# KiCad board corevus-g.kicad_pcb (continued)
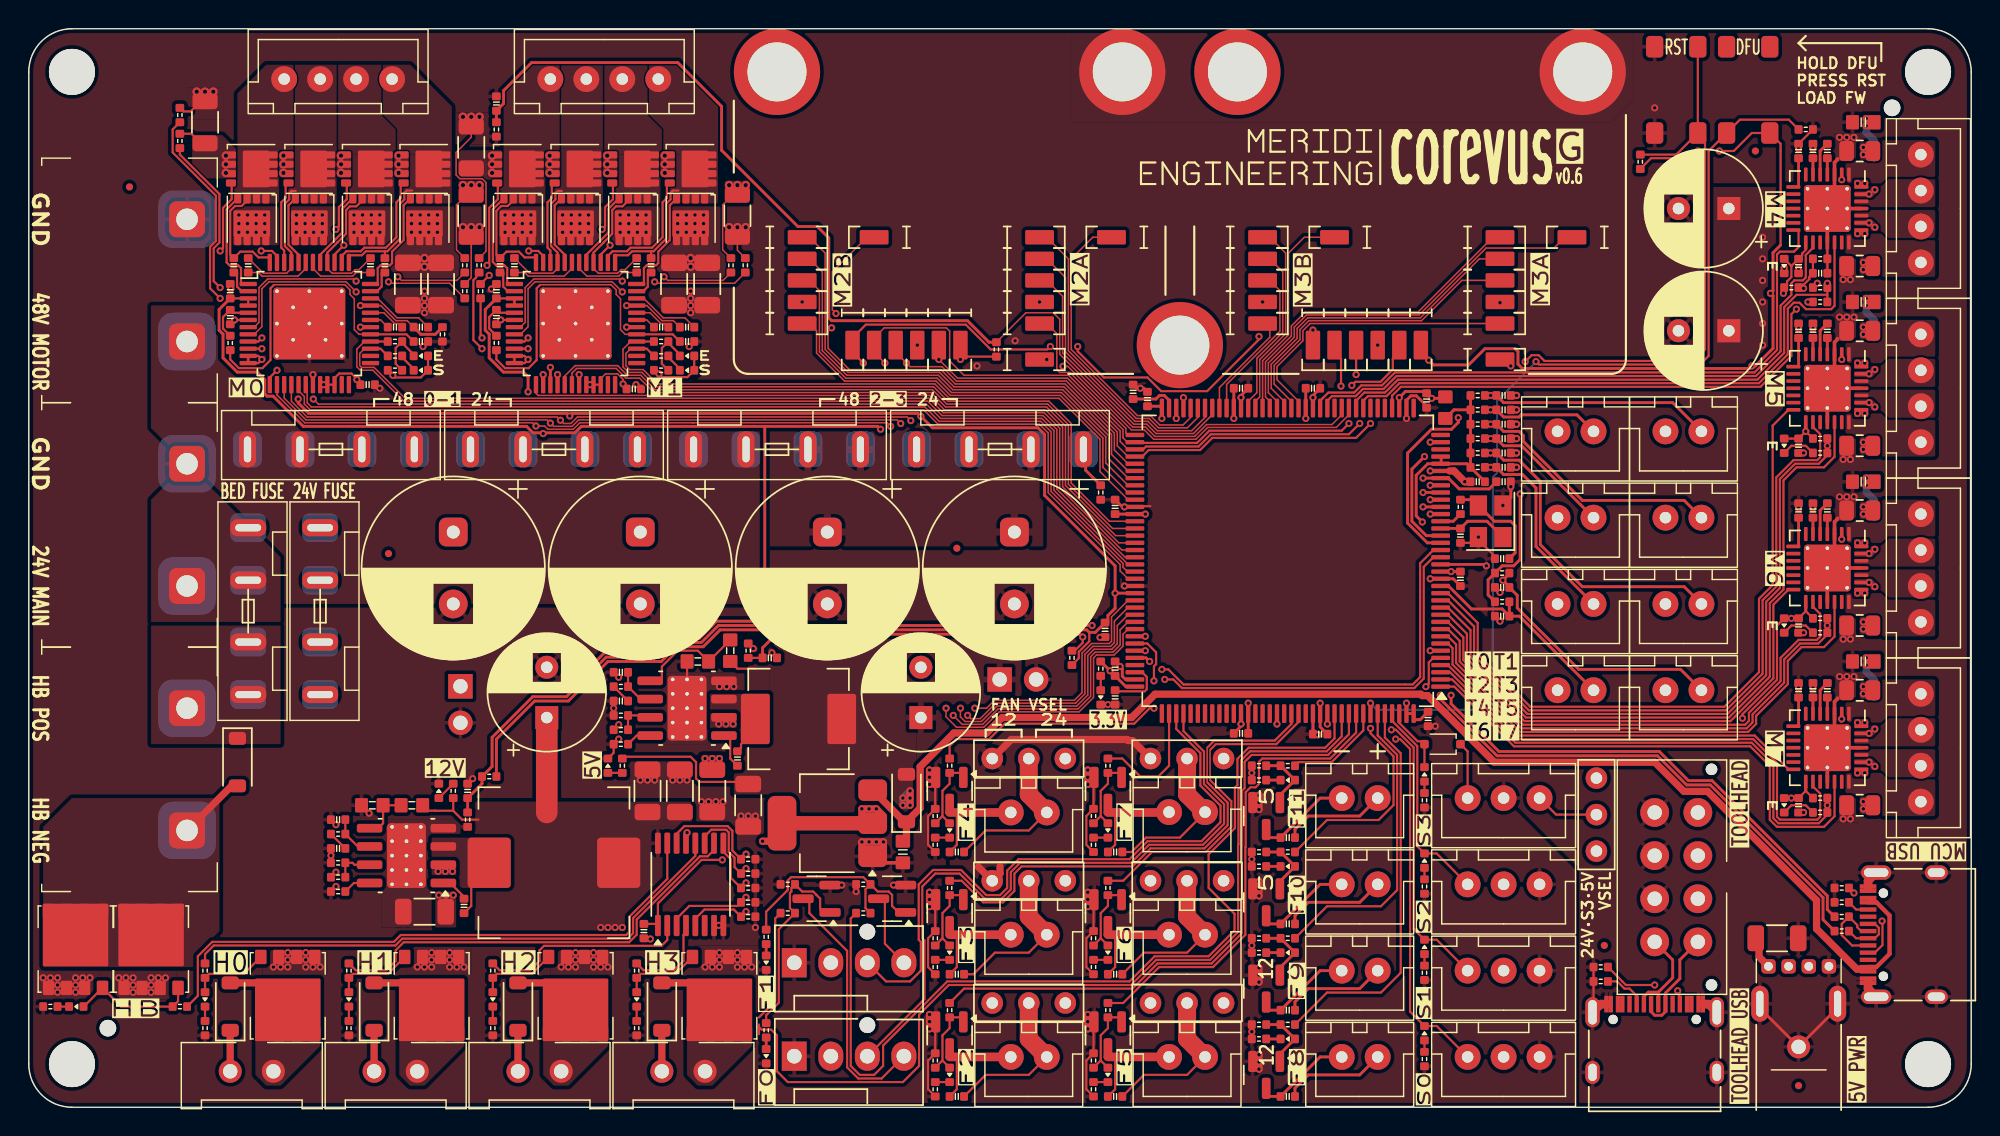
[diagram p0: board, top side]
## Routing (per net, layer and track width the routed paths; a pad name or vN(x,y) marks a point on that pad's centre or on a via; arc(x,y) is an arc through that point) (continued)
+24V: length 25.7
  Top w0.15: R94.1 v1(21.35,16.35) ; C25.2 v1(124,54.15) ; C35.2 v1(124,29.15) ; R110.1 v1(41,26.6) ; C30.2 v1(124,41.65) ; C20.2 v1(124,66.65)
  Top w0.5: D40.1 J34.2 ; D39.1 J33.2 ; D38.1 J32.2 ; D36.1 J30.2
  Bottom w0.5: v1(127.7,68.75) v1(127.7,68.25) 127.7,67.8 128.25,67.25 128.25,66 ; v1(127.7,43.75) v1(127.7,43.25) 127.7,42.8 128.25,42.25 128.25,41 ; 128.25,28.5 128.25,29.75 127.7,30.3 v1(127.7,30.75) v1(127.7,31.25) ; 128.25,53.5 128.25,54.75 127.7,55.3 v1(127.7,55.75) v1(127.7,56.25)
  vias: v1(28.45,16.4) v1(28.5,14.75) v1(28.95,16.4) v1(29,14.75) v1(29.45,16.4) v1(29.5,14.75) v1(47,24.25) v1(47.5,24.25) v1(47.95,26.65) v1(48,24.25) v1(48.45,26.65) v1(48.95,26.65) v1(120.5,60.5) v1(120.5,59) v1(120.5,57.5) v1(120.5,56) v1(120.5,54.5) v1(120.5,53) v1(127.1,64.25) v1(127.1,60.75) v1(127.1,51.75) v1(127.1,48.25) v1(127.1,39.25) v1(127.1,35.75) v1(127.1,26.75) v1(127.1,23.25) v1(127.6,64.25) v1(127.6,60.75) v1(127.6,51.75) v1(127.6,48.25) v1(127.6,39.25) v1(127.6,35.75) v1(127.6,26.75) v1(127.6,23.25)
GND: length 145.2
  Top w0.1: v1(42.2,50.25) 42.5,49.95 C41.1 ; U2.13 45.67,19.02 v1(45.75,19.1) ; v1(43.2,11.7) 43.15,11.75 C5.1 ; R81.2 v1(85,23.25) R78.2
  Top w0.15: C1.1 100.35,39.25 v1(100.75,39.65) 100.75,39.45 101.9,38.3 C2.1 ; D32.1 40.65,24.65 R111.2 v1(41,25.6) ; U1.83 76.92,41.8 77.95,41.8 ; Q2.2 63,14.39 R50.2 62.5,11.75 62.5,9.75 R55.2 ; U2.7 47.94,12.64 v1(47.95,12.65) 47.96,12.64 U2.8 ; Q27.2 63,22.89 R79.2 62.5,20.25 62.5,18.25 R126.2 ; 11.25,69.25 11.55,69.55 ; Q30.2 74,22.89 R82.2 73.5,20.25 73.5,18.25 R127.2 ; C42.1 v1(32.8,54.75) U11.6 ; C98.2 v1(41,29.9) ; R54.2 62.5,1.25 62.5,3.25 R49.2 63,5.89 Q1.2 ; R57.2 73.5,1.25 73.5,3.25 R52.2 74,5.89 Q19.2 ; C99.2 v1(40.65,27.75) R109.2 ; R71.2 73.5,9.75 73.5,11.75 R65.2 74,14.39 Q22.2 ; C58.1 v1(27.4,52.9) ; Q20.2 v1(56.5,15.45) ; v1(74.45,32.67) 74.47,32.7 C79.2 ; R93.1 23.12,20.98 v1(23.65,20.45) ; R1.2 C19.1 v1(123,66.65) ; v1(123.35,33) C28.2 ; U6.18 TH3.2 C70.1 ; Q21.2 v1(60.1,15.45) ; C29.1 v1(123,41.65) ; C43.1 v1(45.9,52.9) ; U12.30 v1(23.05,54.25) ; R91.1 U4.9 ; U12.19 v1(19.75,50.95) ; U11.19 v1(38.25,50.95) ; v1(50.35,31.9) TH4.2 ; C83.2 v1(97.75,26.5) ; C88.2 v1(21.35,19.65) ; C45.1 v1(32.15,56.9) ; v1(123.35,45.5) C23.2 ; R96.2 v1(21.35,15.35) ; C34.1 v1(123,29.15) ; R64.2 v1(57.5,15) ; J13.S1 108.75,6.67 R121.2 R125.2 ; v1(51.65,31.6) C71.1 ; R95.2 v1(21,17.5) C97.2 ; C24.1 v1(123,54.15) ; v1(123.35,20.5) C33.2 ; U11.30 v1(41.55,54.25) ; C68.1 v1(30.85,22.85) ; C57.1 v1(14.3,54.75) U12.6 ; U12.11 U12.12 15.95,51.75 v1(16.2,52) 15.95,52.25 U12.11 ; U11.11 U11.12 34.45,51.75 v1(34.7,52) 34.45,52.25 U11.11
  Top w0.2: C102.2 v1(75.85,30.65) 76,30.5 76,29.98 76.23,29.75 U1.107 ; U1.51 v1(89.25,49.35) 89.25,49.5 C46.2 ; v1(76.15,36.25) U1.94 ; C60.1 14,56.95 v1(14.05,56.9) ; 125.71,6.91 J29.5 120.31,6.89 J29.5 ; C56.1 24.3,50 v1(24.4,50) ; v1(97.4,36.75) U1.16 99,36.75 C15.2 ; C4.2 77,50 v1(77.25,50) 77.5,50 C59.2 ; U1.120 v1(84.25,26.65) 84.25,26.5 C81.2 ; C44.2 97.15,48.76 96.44,49.48 96.06,49.48 95.75,49.16 U1.38 v1(95.75,47.9) ; C53.2 84.25,49.5 v1(84.25,49.35) U1.61 ; v1(102.45,41.85) 103,42.4 v1(103,43.15) C84.2 ; U1.130 89.25,26.25 v1(89.6,25.9) ; C61.2 76,41.75 v1(76.15,41.75) U1.83
  Top w0.25: 125.5,63 U6.3 125.5,65.7 125.7,65.9 125.7,65.95 ; U7.25 U7.29 ; C101.2 59.1,17 U5.1 ; 125.5,50.5 U7.3 125.5,53.2 125.7,53.4 125.7,53.45 ; U9.25 U9.29 ; U9.18 U9.29 ; U6.18 U6.29 ; U6.25 U6.29 ; U8.18 U8.29 ; 125.7,28.45 125.7,28.4 125.5,28.2 U9.3 125.5,25.5 ; U8.25 U8.29 ; 125.7,40.95 125.7,40.9 125.5,40.7 U8.3 125.5,38 ; U7.18 U7.29
  Top w0.5: v1(73.6,6.45) v1(73.6,5.45) ; v1(73.6,14.95) v1(73.6,13.95) ; v1(73.6,22.45) v1(73.6,22.95) v1(73.6,23.45) ; v1(62.6,14.95) v1(62.6,13.95) ; v1(85.5,3.65) v1(85.5,2.65) ; v1(85.5,9.7) v1(85.5,8.7) ; v1(62.6,6.45) v1(62.6,5.45) ; v1(85.5,21.7) v1(85.5,20.7) ; 59.4,17.95 v1(59.4,18.45) v1(57.9,18.45) 57.9,17.95 ; v1(62.6,23.45) v1(62.6,22.45) ; v1(85.5,15.7) v1(85.5,14.7)
  Top w0.6: 108.77,6.67 108.7,6.6 ; J1.S1 127.83,8.25 J1.A1 ; J13.A1 109.25,7.17 J13.S1 ; J13.A12 116.75,7.17 J13.S1 ; 117.23,6.67 117.3,6.6 ; J1.S1 127.83,15.76 J1.A12
  In2.Cu w0.5: 39.25,11.25 v1(39.25,10.25) 40.25,10.25
  vias: v1(1,9) v1(1.5,9) v1(2,9) v1(2,8.5) v1(2,8) v1(3.25,9) v1(3.25,8.5) v1(3.25,8) v1(3.75,9) v1(4.25,9) v1(6.25,9) v1(6.75,9) v1(7.25,9) v1(7.25,8.5) v1(7.25,8) v1(8.5,9) v1(8.5,8.5) v1(8.5,8) v1(9,9) v1(9.5,9) v1(17,9.75) v1(17.5,9.75) v1(18,10.75) v1(18,10.25) v1(18,9.75) v1(19.25,10.75) v1(19.25,10.25) v1(19.25,9.75) v1(19.75,9.75) v1(20.25,9.75) v1(27,9.75) v1(27.5,56.75) v1(27.5,56.25) v1(27.5,55.75) v1(27.5,55.25) v1(27.5,9.75) v1(28,10.75) v1(28,10.25) v1(28,9.75) v1(29.25,10.75) v1(29.25,10.25) v1(29.25,9.75) v1(29.75,9.75) v1(30.25,9.75) v1(37,9.75) v1(37.5,9.75) v1(38,10.75) v1(38,10.25) v1(38,9.75) v1(39.25,10.75) v1(39.25,9.75) v1(39.75,9.75) v1(40.25,9.75) v1(42.5,22.75) v1(43,22.75) v1(43.5,22.75) v1(44.75,22.75) v1(45.25,22.75) v1(45.75,22.75) v1(46,56.75) v1(46,56.25) v1(46,55.75) v1(46,55.25) v1(46.75,21.25) v1(47,9.75) v1(47.25,21.25) v1(47.5,9.75) v1(47.75,21.25) v1(48,29.25) v1(48,10.75) v1(48,10.25) v1(48,9.75) v1(48.25,21.25) v1(48.5,29.25) v1(49,29.25) v1(49.25,10.75) v1(49.25,10.25) v1(49.25,9.75) v1(49.5,20.25) v1(49.75,9.75) v1(50,20.25) v1(50.25,9.75) v1(50.5,20.25) v1(50.5,12.5) v1(53.75,56) v1(58.4,18.45) v1(58.9,18.45) v1(61.75,53) v1(62.6,22.95) v1(62.6,14.45) v1(62.6,5.95) v1(65.9,51.55) v1(68.55,53.3) v1(70.25,56) v1(73.6,14.45) v1(73.6,5.95) v1(75,28) v1(85,17.25) v1(85,11.25) v1(85,5.25) v1(85.5,21.2) v1(85.5,15.2) v1(85.5,9.2) v1(85.5,3.15) v1(85.75,56) v1(93.75,53) v1(97.4,44.25) v1(102.25,55.95) v1(113,69.5) v1(123,58.35) v1(125.85,67.45) v1(125.85,54.95) v1(125.85,42.45) v1(125.85,29.95) v1(126.1,57.55) v1(126.1,45.05) v1(126.1,32.55) v1(126.1,20.05) v1(126.35,67.45) v1(126.35,54.95) v1(126.35,42.45) v1(126.35,29.95) v1(126.6,57.55) v1(126.6,45.05) v1(126.6,32.55) v1(126.6,20.05) v1(126.85,67.45) v1(126.85,54.95) v1(126.85,42.45) v1(126.85,29.95) v2(11.68,70.62) v2(12.25,70.62) v2(12.82,70.62) v2(30.18,68.88) v2(30.18,61.2) v2(30.75,68.88) v2(30.75,61.2) v2(31.32,68.88) v2(31.32,61.2) v2(48.67,61.2) v2(49.25,61.2) v2(49.83,61.2)
VDDA: length 33.2
  Top w0.2: R51.2 99.05,48.5 FB1.2 ; R51.2 R56.2 R17.2 R16.2 R15.2 ; R51.2 R18.2 ; v1(103.65,42.65) 103.65,38.1 103.2,37.65 102.4,37.65 R12.2 101.42,36.67 101.42,35.62 R2.2 ; R15.2 99.95,44.75 U1.32 97.23,44.75 96.42,43.95 96.42,41.12 v1(96.85,40.7) ; R15.2 C85.1 ; 98.16,45.25 98.16,44.75
  In2.Cu w0.2: v1(103.65,42.65) 99.47,42.65 97.52,40.7 v1(96.85,40.7)
VSSA: length 15.2
  Top w0.2: 103.5,45.5 v1(103.4,45.5) ; C73.1 v1(102.25,35.8) ; C72.1 v1(102.25,33.8) ; 103.5,47.5 v1(103.4,47.5)
  Top w0.5: v1(103.4,44.5) C6.1 ; v1(103.4,46.5) C8.1 ; v1(103.4,45.5) C7.1 ; v1(103.4,48.5) C77.1 ; v1(103.4,47.5) C78.1 ; v1(103.4,49.5) C9.1 ; 98.75,44.25 99.05,44.25 v1(99.8,43.5) C85.2
  In2.Cu w0.5: 103.03,44.12 v1(103.4,44.5) v1(103.4,45.5) v1(103.4,46.5) v1(103.4,47.5) v1(103.4,48.5) v1(103.4,49.5) ; 103.03,44.12 102.4,43.5 v1(99.8,43.5) ; 103.03,44.12 103.65,43.5
/_{5V}Therm: length 60.5
  Top w0.15: U1.19 97.62,38.25 96.95,37.58 96.95,29.81 96.29,29.15 80.15,29.15 79.55,29.75 v1(78.95,29.75) ; v1(73.25,32.7) 73.25,32.3 72.7,31.75 R114.1 ; TH4.1 C71.2
  Top w0.2: C71.2 51,31.95 51.95,32.9 73.05,32.9 v1(73.25,32.7)
  In2.Cu w0.2: v1(73.25,32.7) 73.33,32.7 74.63,31.4 76.4,31.4 77.65,30.15 78.38,30.15 78.78,29.75 v1(78.95,29.75)
/_{12V}Therm: length 85.9
  Top w0.15: v1(78.75,30.45) 79.2,30.45 80.25,29.4 96.19,29.4 96.7,29.91 96.7,37.83 97.62,38.75 U1.20
  Top w0.2: v1(73.9,33.5) 47.93,33.5 46.75,32.33 44.86,32.33 43.84,31.3 40.13,31.3 37.38,28.55 35.03,28.55 32.2,25.72 32.2,23.7 R87.1 31.5,22.5 C68.2 TH1.1
  In2.Cu w0.15: v1(73.9,33.5) 73.9,32.52 74.74,31.67 76.52,31.67 77.74,30.45 v1(78.75,30.45)
/_{M0}CS: length 69.9
  Top w0.1: v1(19.77,49.25) 20.12,48.9 62.38,48.9 63.38,47.9 70.4,47.9 71.25,47.05 71.25,42.91 76.41,37.75 U1.91
  Top w0.15: U12.13 16.75,50.75 v1(17.25,51.25)
  In2.Cu w0.15: v1(17.25,51.25) 17.25,50.05 18.5,48.8 19.32,48.8 v1(19.77,49.25)
/_{M0}Diag1: length 64.8
  Top w0.1: U12.27 23.33,52.75 23,52.42 23,51.58 23.13,51.45 24,51.45 26.15,49.3 62.56,49.3 63.56,48.3 70.57,48.3 71.65,47.22 71.65,43.07 75.97,38.75 U1.89
  Top w0.15: R119.2 24.45,52.75 U12.27
/_{M0}Dir: length 66.3
  Top w0.1: U12.18 19.35,50.15 19.35,48.99 19.64,48.7 62.27,48.7 63.27,47.7 70.32,47.7 71.05,46.97 71.05,42.82 76.05,37.82 76.05,37.55 76.35,37.25 U1.92
/_{M0}En: length 65.6
  Top w0.1: U12.28 23.33,53.25 22.8,52.72 22.8,51.5 23.05,51.25 23.92,51.25 26.07,49.1 62.47,49.1 63.47,48.1 70.49,48.1 71.45,47.14 71.45,42.99 76.19,38.25 U1.90
  Top w0.15: U12.28 R99.2
/_{M0}Step: length 67
  Top w0.1: U12.17 18.75,49.83 19.15,49.42 19.15,48.91 19.56,48.5 62.19,48.5 63.19,47.5 70.24,47.5 70.85,46.89 70.85,42.74 75.85,37.74 75.85,37.3 76.4,36.75 U1.93
/_{M1}CS: length 49.5
  Top w0.1: U1.88 75.76,39.25 71.85,43.16 71.85,47.3 70.65,48.5 63.64,48.5 62.64,49.5 35.4,49.5 35.25,49.65 U11.13 35.25,50.75
/_{M1}Diag1: length 43.7
  Top w0.1: U1.82 76.4,42.25 74.45,44.2 74.45,46.46 71.61,49.3 63.97,49.3 62.97,50.3 56.62,50.3 43.7,50.3 42.7,51.3 41.77,51.3 41.5,51.57 41.5,52.42 41.83,52.75 U11.27
  Top w0.15: R118.2 42.95,52.75 U11.27
/_{M1}Dir: length 47.3
  Top w0.1: U1.87 75.54,39.75 72.05,43.24 72.05,47.38 70.73,48.7 63.72,48.7 62.72,49.7 43.45,49.7 42.45,50.7 41.5,50.7 40.83,51.38 38.07,51.38 37.75,51.05 U11.18
/_{M1}En: length 46.1
  Top w0.1: U1.85 75.1,40.75 72.45,43.4 72.45,47.55 70.9,49.1 63.89,49.1 62.89,50.1 43.62,50.1 42.62,51.1 41.68,51.1 41.3,51.48 41.3,52.72 41.83,53.25 U11.28
  Top w0.15: U11.28 R98.2
/_{M1}Step: length 47.6
  Top w0.1: U11.17 37.25,50.85 37.98,51.58 40.92,51.58 41.6,50.9 42.53,50.9 43.53,49.9 62.8,49.9 63.8,48.9 70.82,48.9 72.25,47.47 72.25,43.32 75.32,40.25 U1.86
/_{M1}Therm: length 81.5
  Top w0.1: U1.47 91.25,48.15 90.57,47.48 81.85,47.48 81.03,46.65 78.27,46.65 77.62,47.3 76.72,47.3 71.65,52.37 71.65,54.8 71.2,55.25 69.3,55.25 R88.1
  Top w0.2: TH2.1 C69.2 33,69.8 33,70.7 34.95,72.65 45.1,72.65 48.15,69.6 48.15,66.55 53.45,61.25 54.8,61.25 55.6,60.45 55.6,54.9 55.8,54.7 65.24,54.7 66.74,53.2 R88.1
/_{M2A}CS: length 20.7
  Top w0.1: U1.67 81.25,47.98 80.53,47.25 78.52,47.25 77.87,47.9 76.97,47.9 72.25,52.62 72.25,59 T12.1
/_{M2A}Diag: length 20.6
  Top w0.1: T13.1 73.95,60.5 72.45,59 72.45,52.7 77.05,48.1 77.95,48.1 78.6,47.45 80.22,47.45 80.75,47.98 U1.68
/_{M2A}Dir: length 19.2
  Top w0.1: U1.65 82.25,48.16 80.94,46.85 78.35,46.85 77.7,47.5 76.8,47.5 71.85,52.45 71.85,56.4 T10.1
/_{M2A}En: length 20
  Top w0.1: U1.66 81.75,47.98 80.83,47.05 78.43,47.05 77.78,47.7 76.88,47.7 72.05,52.53 72.05,57.7 T11.1
/_{M2A}Step: length 10.7
  Top w0.1: 76.6,46.75 76.4,46.75 76.25,46.9 76.25,47.2 72.35,51.1 71.65,51.1 71.45,51.3 71.45,53.8 T8.1
/_{M2B}CS: length 34.1
  Top w0.1: U1.78 76.4,44.25 75.25,45.4 75.25,46.79 71.94,50.1 64.3,50.1 63.3,51.1 56.95,51.1 55.35,52.7 55.35,59.4 T34.1
/_{M2B}Diag: length 34.4
  Top w0.1: T35.1 55.85,58.1 55.85,55.45 v1(56.1,55.2) ; v1(55.8,54.2) 55.55,53.95 55.55,52.78 57.03,51.3 63.38,51.3 64.38,50.3 72.02,50.3 75.45,46.87 75.45,45.7 76.4,44.75 U1.77
  In2.Cu w0.1: v1(55.8,54.2) 55.8,54.9 v1(56.1,55.2)
/_{M2B}Dir: length 32.1
  Top w0.1: T16.1 54.95,56.8 54.95,52.53 56.78,50.7 63.14,50.7 64.14,49.7 71.77,49.7 74.85,46.62 74.85,44.8 76.4,43.25 U1.80
/_{M2B}En: length 33.1
  Top w0.1: T33.1 55.15,58.1 55.15,52.62 56.87,50.9 63.22,50.9 64.22,49.9 71.86,49.9 75.05,46.71 75.05,45.1 76.4,43.75 U1.79
/_{M2B}Step: length 29.6
  Top w0.1: U1.81 76.4,42.75 74.65,44.5 74.65,46.54 71.69,49.5 64.05,49.5 63.05,50.5 56.7,50.5 54.75,52.45 54.75,54 T14.1
/_{M2}Therm: length 24.5
  Top w0.1: U1.46 91.75,48.15 90.87,47.27 81.93,47.27 81.11,46.45 78.18,46.45 77.53,47.1 76.64,47.1 72.21,51.52 v1(71.88,51.52)
  In2.Cu w0.15: v1(71.88,51.52) 71.4,52 v1(70.75,52)
/_{M3A}CS: length 24.1
  Top w0.1: U1.57 86.25,49.09 85.95,49.39 85.95,51.84 87.75,53.64 87.75,54.33 88.72,55.3 96.55,55.3 101.75,60.5 T28.1
/_{M3A}Diag: length 28
  Top w0.1: T29.1 106,59.75 101.28,59.75 96.63,55.1 88.8,55.1 87.95,54.25 87.95,53.55 86.15,51.75 86.15,49.69 86.75,49.09 U1.56
/_{M3A}Dir: length 22.5
  Top w0.1: U1.54 87.75,49.09 86.55,50.29 86.55,51.59 88.35,53.39 88.35,54.08 88.97,54.7 96.8,54.7 99.6,57.5 T26.1
/_{M3A}En: length 23.3
  Top w0.1: T27.1 100.82,59 96.72,54.9 88.88,54.9 88.15,54.17 88.15,53.47 86.35,51.67 86.35,49.99 87.25,49.09 U1.55
/_{M3A}Step: length 21.1
  Top w0.1: T24.1 89.05,54.5 88.55,54 88.55,53.3 86.75,51.5 86.75,50.59 88.25,49.09 U1.53
/_{M3B}CS: length 13.2
  Top w0.1: U1.59 85.25,49.1 85.55,49.4 85.55,52 87.35,53.8 87.35,59.4 T37.1
/_{M3B}Diag: length 14.7
  Top w0.1: U1.58 85.75,51.92 87.55,53.72 87.55,59.4 88.65,60.5 T38.1
/_{M3B}Dir: length 10.7
  Top w0.1: T32.1 86.95,56.8 86.95,53.97 83.25,50.27 U1.63
/_{M3B}En: length 11.7
  Top w0.1: U1.60 84.75,49.09 85.35,49.69 85.35,52.08 87.15,53.88 87.15,58.1 T36.1
/_{M3B}Step: length 7.3
  Top w0.1: T30.1 86.25,53.55 82.75,50.05 U1.64
/_{M3}Therm: length 18.2
  Top w0.2: U1.21 97.2,39.25 95.83,40.63 95.83,45.49 97.48,47.15 98.88,47.15 99.35,47.62 v1(99.35,47.95) ; T23.1 102.75,51.8 v1(103,51.55)
  In2.Cu w0.2: v1(99.35,47.95) 99.38,47.95 102.98,51.55 v1(103,51.55)
/_{M4}Dir: length 42.6
  Top w0.15: U6.19 125.5,55.73 125.27,55.5 123.51,55.5 123.06,55.95 122.66,55.95 122.25,55.54 122.25,52.35 120.25,50.35 95.26,50.35 94.36,49.45 93.07,49.45 92.75,49.13 U1.44
/_{M4}En: length 47.4
  Top w0.15: R97.2 R22.2 v1(125,57.3) ; U1.45 92.25,49.13 92.82,49.7 94.26,49.7 95.16,50.6 120.14,50.6 122,52.46 122,55.64 122.86,56.5 125,56.5
  Top w0.2: U6.2 v1(126,64.5)
  In2.Cu w0.15: v1(125,57.3) 125,58.5 125.7,59.2 125.7,64.2 v1(126,64.5)
/_{M4}Step: length 42.3
  Top w0.15: U6.16 124,59.77 123.5,59.27 123.5,57.7 123.3,57.5 122.7,57.5 122.5,57.3 122.5,56.49 121.75,55.74 121.75,52.56 120.04,50.85 95.05,50.85 94.15,49.95 92.72,49.95 92.22,49.45 90.57,49.45 90.25,49.13 U1.49
/_{M4}Therm: length 38.9
  Top w0.15: U1.40 94.75,49.49 95.36,50.1 120.35,50.1 122.5,52.25 122.5,55.15 v1(122.85,55.5) ; v1(123.35,56.95) 123.3,57 R89.1 ; 123,57.2 123.35,57.2 123.75,57.6 123.75,57.75 C70.2 TH3.1
  In2.Cu w0.15: v1(122.85,55.5) 123.79,55.5 124.1,55.81 124.1,56.2 v1(123.35,56.95)
  Bottom w0.15: v1(122.85,55.5) 122.85,55.55 122.8,55.6
/_{M4}UART: length 43.3
  Top w0.15: U1.50 89.75,49.13 89.92,49.3 89.92,49.31 90.32,49.7 92.11,49.7 92.61,50.2 94.05,50.2 94.95,51.1 119.94,51.1 121.5,52.66 121.5,59.3 121.7,59.5 122.69,59.5 123,59.81 123,61
/_{M5}Dir: length 48.7
  Top w0.15: U7.19 125.5,45.23 124.77,44.5 122.86,44.5 121.95,43.59 121.95,36 121,35.05 121,29.94 118.16,27.1 104.05,27.1 99.95,31.2 99.95,32.93 98.63,34.25 U1.11
/_{M5}En: length 54.4
  Top w0.15: U1.12 98.63,34.75 100.2,33.18 100.2,31.3 104.15,27.35 118.06,27.35 120.75,30.04 120.75,35.16 121.7,36.11 121.7,43.7 122.75,44.75 124.4,44.75 125,45.35 R24.2 ; R24.2 R23.2 ; R24.2 v1(125,46)
  Top w0.2: U7.2 v1(126,52)
  In2.Cu w0.15: v1(126,52) 125.7,51.7 125.7,46.7 v1(125,46)
/_{M5}Step: length 48.1
  Top w0.15: U7.16 124,47.31 124.5,46.81 124.5,45.2 124.3,45 122.65,45 121.45,43.8 121.45,36.21 120.5,35.26 120.5,30.15 117.95,27.6 104.26,27.6 100.45,31.41 100.45,33.43 98.63,35.25 U1.13
/_{M5}UART: length 46.8
  Top w0.15: 122.3,48.5 121.2,47.4 121.2,36.31 120.25,35.36 120.25,30.25 117.85,27.85 104.36,27.85 100.7,31.51 100.7,33.68 98.63,35.75 U1.14
/_{M6}Dir: length 37
  Top w0.15: U8.19 125.5,32.73 124.77,32 123.21,32 122.25,31.04 122.25,29.42 120.05,27.22 120.05,26.66 119.49,26.1 103.63,26.1 98.95,30.78 98.95,31.93 98.63,32.25 U1.7
/_{M6}En: length 42.7
  Top w0.15: U1.8 98.63,32.75 99.2,32.18 99.2,30.89 103.74,26.35 119.39,26.35 119.8,26.76 119.8,27.33 122,29.53 122,31.15 123.1,32.25 124.37,32.25 125,32.88 R29.2 ; R29.2 R28.2 ; R29.2 v1(125,33.5)
  Top w0.2: U8.2 v1(126,39.5)
  In2.Cu w0.15: v1(125,33.5) 125.7,34.2 125.7,39.2 v1(126,39.5)
/_{M6}Step: length 36.4
  Top w0.15: U1.9 98.63,33.25 99.45,32.43 99.45,30.99 103.84,26.6 119.29,26.6 119.55,26.86 119.55,27.43 121.75,29.63 121.75,31.25 123,32.5 124.27,32.5 124.5,32.73 124.5,34.31 124,34.81 U8.16
/_{M6}UART: length 34.7
  Top w0.15: 122.3,36 121.25,34.95 121.25,29.84 118.26,26.85 103.94,26.85 100.05,30.74 99.7,31.09 99.7,32.68 98.63,33.75 U1.10
/_{M7}Dir: length 36.3
  Top w0.15: U1.1 99.07,29.25 103.22,25.1 119.64,25.1 121,23.74 121,19.99 121.49,19.5 124.77,19.5 125.5,20.23 U9.19
/_{M7}En: length 41.9
  Top w0.15: U1.2 98.92,29.75 103.32,25.35 119.74,25.35 121.25,23.84 121.25,20.1 121.6,19.75 124.4,19.75 125,20.35 R102.2 ; R102.2 v1(125,21) ; R102.2 R101.2
  Top w0.2: U9.2 v1(126,27)
  In2.Cu w0.15: v1(126,27) 125.7,26.7 125.7,21.7 v1(125,21)
/_{M7}Step: length 35.5
  Top w0.15: U1.3 98.78,30.25 103.43,25.6 119.85,25.6 121.5,23.95 121.5,20.2 121.7,20 124.3,20 124.5,20.2 124.5,21.81 124,22.31 U9.16
/_{M7}UART: length 27.5
  Top w0.15: U9.14 122.3,23.5 119.95,25.85 103.53,25.85 98.63,30.75 U1.4
/Bed_H-: length 4.8
  Top w0.5: D14.2 14.1,22.35 J36.2
/BOOT0: length 68.2
  Top w0.15: R1.1 122.33,68.67 118.92,68.67 SW1.1 116.75,66.5 116.75,52.25 116.15,51.65 104.95,51.65 v1(104.75,51.85) ; U1.138 v1(93.25,28.1)
  Bottom w0.15: v1(104.75,51.85) 102.05,49.15 102.05,44.1 101.75,43.8 101.75,28.75 100.65,27.65 93.7,27.65 v1(93.25,28.1)
/F0: length 72.6
  Top w0.15: 50.75,6.25 51.88,7.38 51.88,13.13 R48.1 ; U1.134 91.25,25.8 90.2,24.75 84.88,24.75 84.25,24.12 84.25,22.3 84.08,22.12 84.08,18.3 84.05,18.27 84.05,12.2 82.1,10.25 78.35,10.25 76.6,8.5 63.94,8.5 61.88,6.44 61.88,2.88 60.75,1.75 52.75,1.75 52,2.5 52,5 51.6,5.4 50.93,5.4 50.75,5.58 ; 50.75,5.75 50.75,5.08
/F0_FG: length 47.3
  Top w0.15: J6.3 62.25,7.52 62.25,11.6 62.1,11.75 62.1,15.35 63,16.25 64.69,16.25 66.44,14.5 67.6,14.5 68.25,15.15 68.25,16.35 68.9,17 76.6,17 77.85,18.25 81.6,18.25 83.08,19.72 83.08,21.07 81.67,22.47 81.67,24.74 80.25,26.16 U1.112
/F1: length 65.3
  Top w0.15: U1.133 90.75,25.65 90.1,25 84.78,25 84,24.22 84,22.4 83.83,22.22 83.83,19.41 82,17.59 82,15.25 83.8,13.45 83.8,12.3 82,10.5 78.25,10.5 76.5,8.75 63.83,8.75 59.38,4.29 59.38,2.88 58.75,2.25 57.75,2.25 57.12,2.88 57.12,13.13 R60.1
/F1_FG: length 44.4
  Top w0.15: U1.111 79.75,26.31 81.42,24.63 81.42,22.37 82.83,20.97 82.83,19.83 81.5,18.5 77.75,18.5 76.5,17.25 68.79,17.25 68,16.46 68,15.25 67.5,14.75 66.55,14.75 64.8,16.5 62.85,16.5 61.85,15.5 61.85,11.65 62,11.5 62,9.5 61.25,8.75 59.58,8.75 J14.3
/F2_Gate: length 43.8
  Top w0.15: U1.135 91.75,25.94 90.31,24.5 84.98,24.5 84.5,24.02 84.5,22.19 84.33,22.02 84.33,18.2 84.3,18.17 84.3,12.09 82.21,10 78.46,10 76.71,8.25 65,8.25 R31.1
/F2_V+: length 11.2
  Top w0.15: J2.2 69.5,2.25 66.5,2.25 C10.2
  Top w1.25: J18.2 69.5,4.75 J2.2
/F3_Gate: length 36.1
  Top w0.1: 81.92,22.58 81.9,22.6 81.9,25 81.92,25.03
  Top w0.15: U1.127 87.75,26.65 86.6,25.5 82.4,25.5 81.92,25.03 ; 81.92,22.58 83.33,21.18 83.33,19.62 81.71,18 77.96,18 76.71,16.75 69,16.75 68.5,16.25 68.5,15.04 67.71,14.25 66.34,14.25 64.84,15.75 R39.1
/F3_V+: length 11.2
  Top w0.15: J4.2 69.5,10.75 67.15,10.75 65.65,9.25 C11.2
  Top w1.25: J4.2 69.5,13.25 J20.2
/F4_Gate: length 21.8
  Top w0.15: U1.102 77.74,32.25 78.35,31.64 78.35,30.81 78.2,30.66 v1(78.2,29.65) ; R59.1 64,25.13 64.47,25.6 66.75,25.6 67.83,26.67 76.83,26.67 77.9,27.75 v1(78.2,27.75)
  In2.Cu w0.15: v1(78.2,27.75) v1(78.2,29.65)
/F4_V+: length 11.2
  Top w0.15: C74.2 66.5,19.25 69.5,19.25 J37.2
  Top w1.25: J19.2 69.5,21.75 J37.2
/F5_Gate: length 33.1
  Top w0.15: U1.136 92.25,26.05 90.45,24.25 85.73,24.25 85.5,24.02 85.5,22.48 85.27,22.25 84.91,22.25 84.58,21.91 84.58,18.09 84.55,18.07 84.55,11.99 82.31,9.75 78.56,9.75 76.06,7.25 R47.1
/F5_V+: length 11.2
  Top w0.15: C76.2 77.5,2.25 80.5,2.25 J5.2
  Top w1.25: J5.2 80.5,4.75 J31.2
/F6_Gate: length 23.6
  Top w0.1: 82.12,24.88 82.1,24.85 82.1,22.76 82.12,22.73
  Top w0.15: 82.12,24.88 82.5,25.25 86.7,25.25 88.25,26.8 U1.128 ; R61.1 76.06,15.75 78.06,17.75 81.81,17.75 83.58,19.51 83.58,21.28 82.12,22.73
/F6_V+: length 11.2
  Top w0.15: C89.2 77.5,10.75 80.5,10.75 J15.2
  Top w1.25: J15.2 80.5,13.25 J41.2
/F7_Gate: length 8.7
  Top w0.15: U1.110 79.25,23.75 78.5,23 77.25,23 76,24.25 R76.1
/F7_V+: length 11.2
  Top w0.15: C75.2 76.65,17.75 77.65,18.75 80,18.75 81.75,20.5
  Top w1.25: 81.75,20.5 80.5,21.75 J42.2
/F8_Gate: length 27.3
  Top w0.15: U1.140 94.25,25.71 95.35,24.61 95.35,9.35 93.97,7.97 90.22,7.97 R62.1
/F9_Gate: length 21.3
  Top w0.15: U1.139 93.75,25.86 95.1,24.51 95.1,15.1 93.97,13.98 90.22,13.98 R63.1
/F10_Gate: length 22
  Top w0.15: R74.1 90.22,19.98 93.81,19.98 94.85,21.01 94.85,24.41 93.25,26.01 v1(93.25,26.35) ; v1(97.1,29.25) 97.3,29.45 97.3,30.93 97.62,31.25 U1.5
  In2.Cu w0.15: v1(93.25,26.35) 96.15,29.25 v1(97.1,29.25)
/F11_Gate: length 6.9
  Top w0.15: R75.1 88.25,24 90.55,24 92.75,26.2 U1.137
/H0: length 48.4
  Top w0.1: v1(65.25,27.25) 65.47,27.02 66.13,27.02 67.2,28.1 72.75,28.1 73.4,28.75 73.4,31.5 73.95,32.05 75.18,32.05 75.45,32.32 75.45,33.8 76.4,34.75 U1.97
  Top w0.15: U2.11 46.98,18.84 47.43,19.3 48.47,19.3 48.65,19.12 48.65,17.75 49.05,17.35 49.05,16.7 R14.1 v1(49.85,16.6)
  In2.Cu w0.15: v1(65.25,27.25) 65.25,27.89 64.14,29 60.94,29 60.25,28.31 60.25,26.31 56.5,22.56 56.5,19.06 54.79,17.35 50.6,17.35 v1(49.85,16.6)
/H0_Gate: length 39.1
  Top w0.15: R122.1 12.25,10.65 12.85,11.25 25.48,11.25 25.95,11.73 41.62,11.73 42,12.1 42,13.15 46.33,17.48 U2.12
/H1: length 46.4
  Top w0.1: U1.98 76.4,34.25 75.65,33.5 75.65,32.23 75.27,31.85 74.03,31.85 73.6,31.42 73.6,28.67 72.83,27.9 67.28,27.9 66.21,26.83 65.07,26.83 64.75,27.15 v1(64.75,27.75)
  Top w0.15: v1(49.85,15.6) R13.1 48.8,15.95 48.8,17.24 48.27,17.77 U2.9
  In2.Cu w0.15: v1(64.75,27.75) 63.75,28.75 61.04,28.75 60.5,28.21 60.5,26.21 56.75,22.46 56.75,18.96 54.89,17.1 51.35,17.1 v1(49.85,15.6)
/H1_Gate: length 30.6
  Top w0.15: U2.10 47.62,17.88 47.19,17.45 46.65,17.45 42.25,13.05 42.25,12 41.73,11.48 26.06,11.48 25.5,10.92 25.5,10.18 24.85,9.53 22.73,9.53 R120.1
/H2: length 48.2
  Top w0.1: v1(64.25,27.25) 64.88,26.62 66.29,26.62 67.37,27.7 72.92,27.7 73.8,28.58 73.8,31.33 74.12,31.65 75.35,31.65 75.85,32.15 75.85,33.2 76.4,33.75 U1.99
  Top w0.15: U2.3 45.02,13.12 45.91,14 49.25,14 R10.1 v1(49.85,14.6)
  In2.Cu w0.15: v1(64.25,27.25) 64.25,27.89 63.64,28.5 61.15,28.5 60.75,28.1 60.75,26.1 57,22.35 57,18.85 55,16.85 52.1,16.85 v1(49.85,14.6)
/H2_Gate: length 14.6
  Top w0.15: R123.1 32.73,9.53 34.85,9.53 35.5,10.18 35.5,10.92 35.81,11.23 43.98,11.23 44.38,11.62 U2.2
/H3: length 47
  Top w0.1: v1(63.75,27.75) 63.75,27.15 64.47,26.42 66.37,26.42 67.45,27.5 73,27.5 74,28.5 74,31.25 74.2,31.45 75.43,31.45 76.05,32.07 76.05,32.9 76.4,33.25 U1.100
  Top w0.15: U2.5 46.33,13.12 46.96,13.75 49,13.75 R11.1 v1(49.85,13.6)
  In2.Cu w0.15: v1(63.75,27.75) 63.25,28.25 61.25,28.25 61,28 61,26 57.25,22.25 57.25,18.75 55.1,16.6 52.85,16.6 v1(49.85,13.6)
/H3_Gate: length 6.2
  Top w0.15: U2.4 45.67,12.17 45.5,12 45.5,10.18 44.85,9.53 42.73,9.53 R124.1
/HB: length 49.7
  Top w0.1: v1(65.75,27.75) 66.57,27.75 67.12,28.3 72.67,28.3 73.2,28.83 73.2,31.58 73.87,32.25 75.1,32.25 75.25,32.4 75.25,34.1 76.4,35.25 U1.96
  Top w0.15: U2.14 45.02,19.01 45.56,19.55 48.57,19.55 48.9,19.22 48.9,17.85 R25.1 v1(49.85,17.6)
  In2.Cu w0.15: v1(65.75,27.75) 65.75,28.89 65.39,29.25 60.84,29.25 60,28.41 60,26.41 56.25,22.66 56.25,19.16 54.69,17.6 v1(49.85,17.6)
/HB_Gate: length 41.8
  Top w0.15: R68.1 11.75,7.75 11.75,10.5 12.75,11.5 25.38,11.5 25.85,11.98 41.52,11.98 41.75,12.21 41.75,13.26 44.38,15.88 U2.15
/Motor 0 (TMC2160)/A1: length 9.7
  Top w0.1: C64.2 22.95,58.25 22.68,58.25 22.43,58 21.08,58 20.75,58.33 U12.40
  Top w0.15: U12.40 20.75,59.43 21.45,60.13 21.45,60.14 22.05,60.74 22.05,62.39 22.31,62.65 22.76,62.65 23.18,63.06 Q13.3
/Motor 0 (TMC2160)/A2: length 8.4
  Top w0.15: 22.25,59.25 23.15,59.25 23.43,59.52 24.75,59.52 ; 24.75,59.52 24.92,59.52 25.8,60.4 25.8,62.83 26.1,63.13 26.1,63.58 26.27,63.75 26.65,63.75 ; 24.75,59.52 C65.2
/Motor 0 (TMC2160)/B1: length 7.9
  Top w0.15: Q11.3 15.18,63.06 14.79,62.67 14.34,62.67 14,62.34 14,59.3 C62.2 14.7,59.5 15.56,59.5 15.96,59.1 16.75,59.1
/Motor 0 (TMC2160)/B2: length 9.6
  Top w0.1: U12.45 18.25,58.33 17.92,58 16.3,58 C63.2
  Top w0.15: U12.45 18.25,59.43 17.8,59.88 17.8,62.83 18.1,63.13 18.1,63.56 18.26,63.73 18.55,63.73
/Motor 0 (TMC2160)/HA1: length 5.4
  Top w0.15: U12.41 20.25,59.29 21.2,60.24 21.2,60.24 21.8,60.84 21.8,62.49 22.51,63.2 Q13.4
/Motor 0 (TMC2160)/HA2: length 7.3
  Top w0.15: 24.25,57.25 24.25,58.35 24.45,58.55 25.1,58.55 25.25,58.7 25.25,59.5 26.05,60.3 26.05,62.73 Q14.4
/Motor 0 (TMC2160)/HB1: length 7
  Top w0.15: 14.75,57.25 14.75,58.35 14.55,58.55 13.95,58.55 13.75,58.75 13.75,62.44 14.51,63.2 Q11.4
/Motor 0 (TMC2160)/HB2: length 4.9
  Top w0.15: U12.44 18.75,59.29 18.05,59.99 18.05,62.73 Q12.4
/Motor 0 (TMC2160)/LA1: length 6.3